# Altium PCB ADCS_PCB_2.PcbDoc (part 2 of 3)
Units mm, origin at the board's own origin, x right, y up, seen from the top; angles counter-clockwise.
Board outline 95.7 x 90 mm, 4 copper layers (Top Layer, Int1 (GND), Int2 (PWR), Bottom Layer), stack 1.57 mm thick; 156 components, 114 nets, 784 pads, 1100 vias.
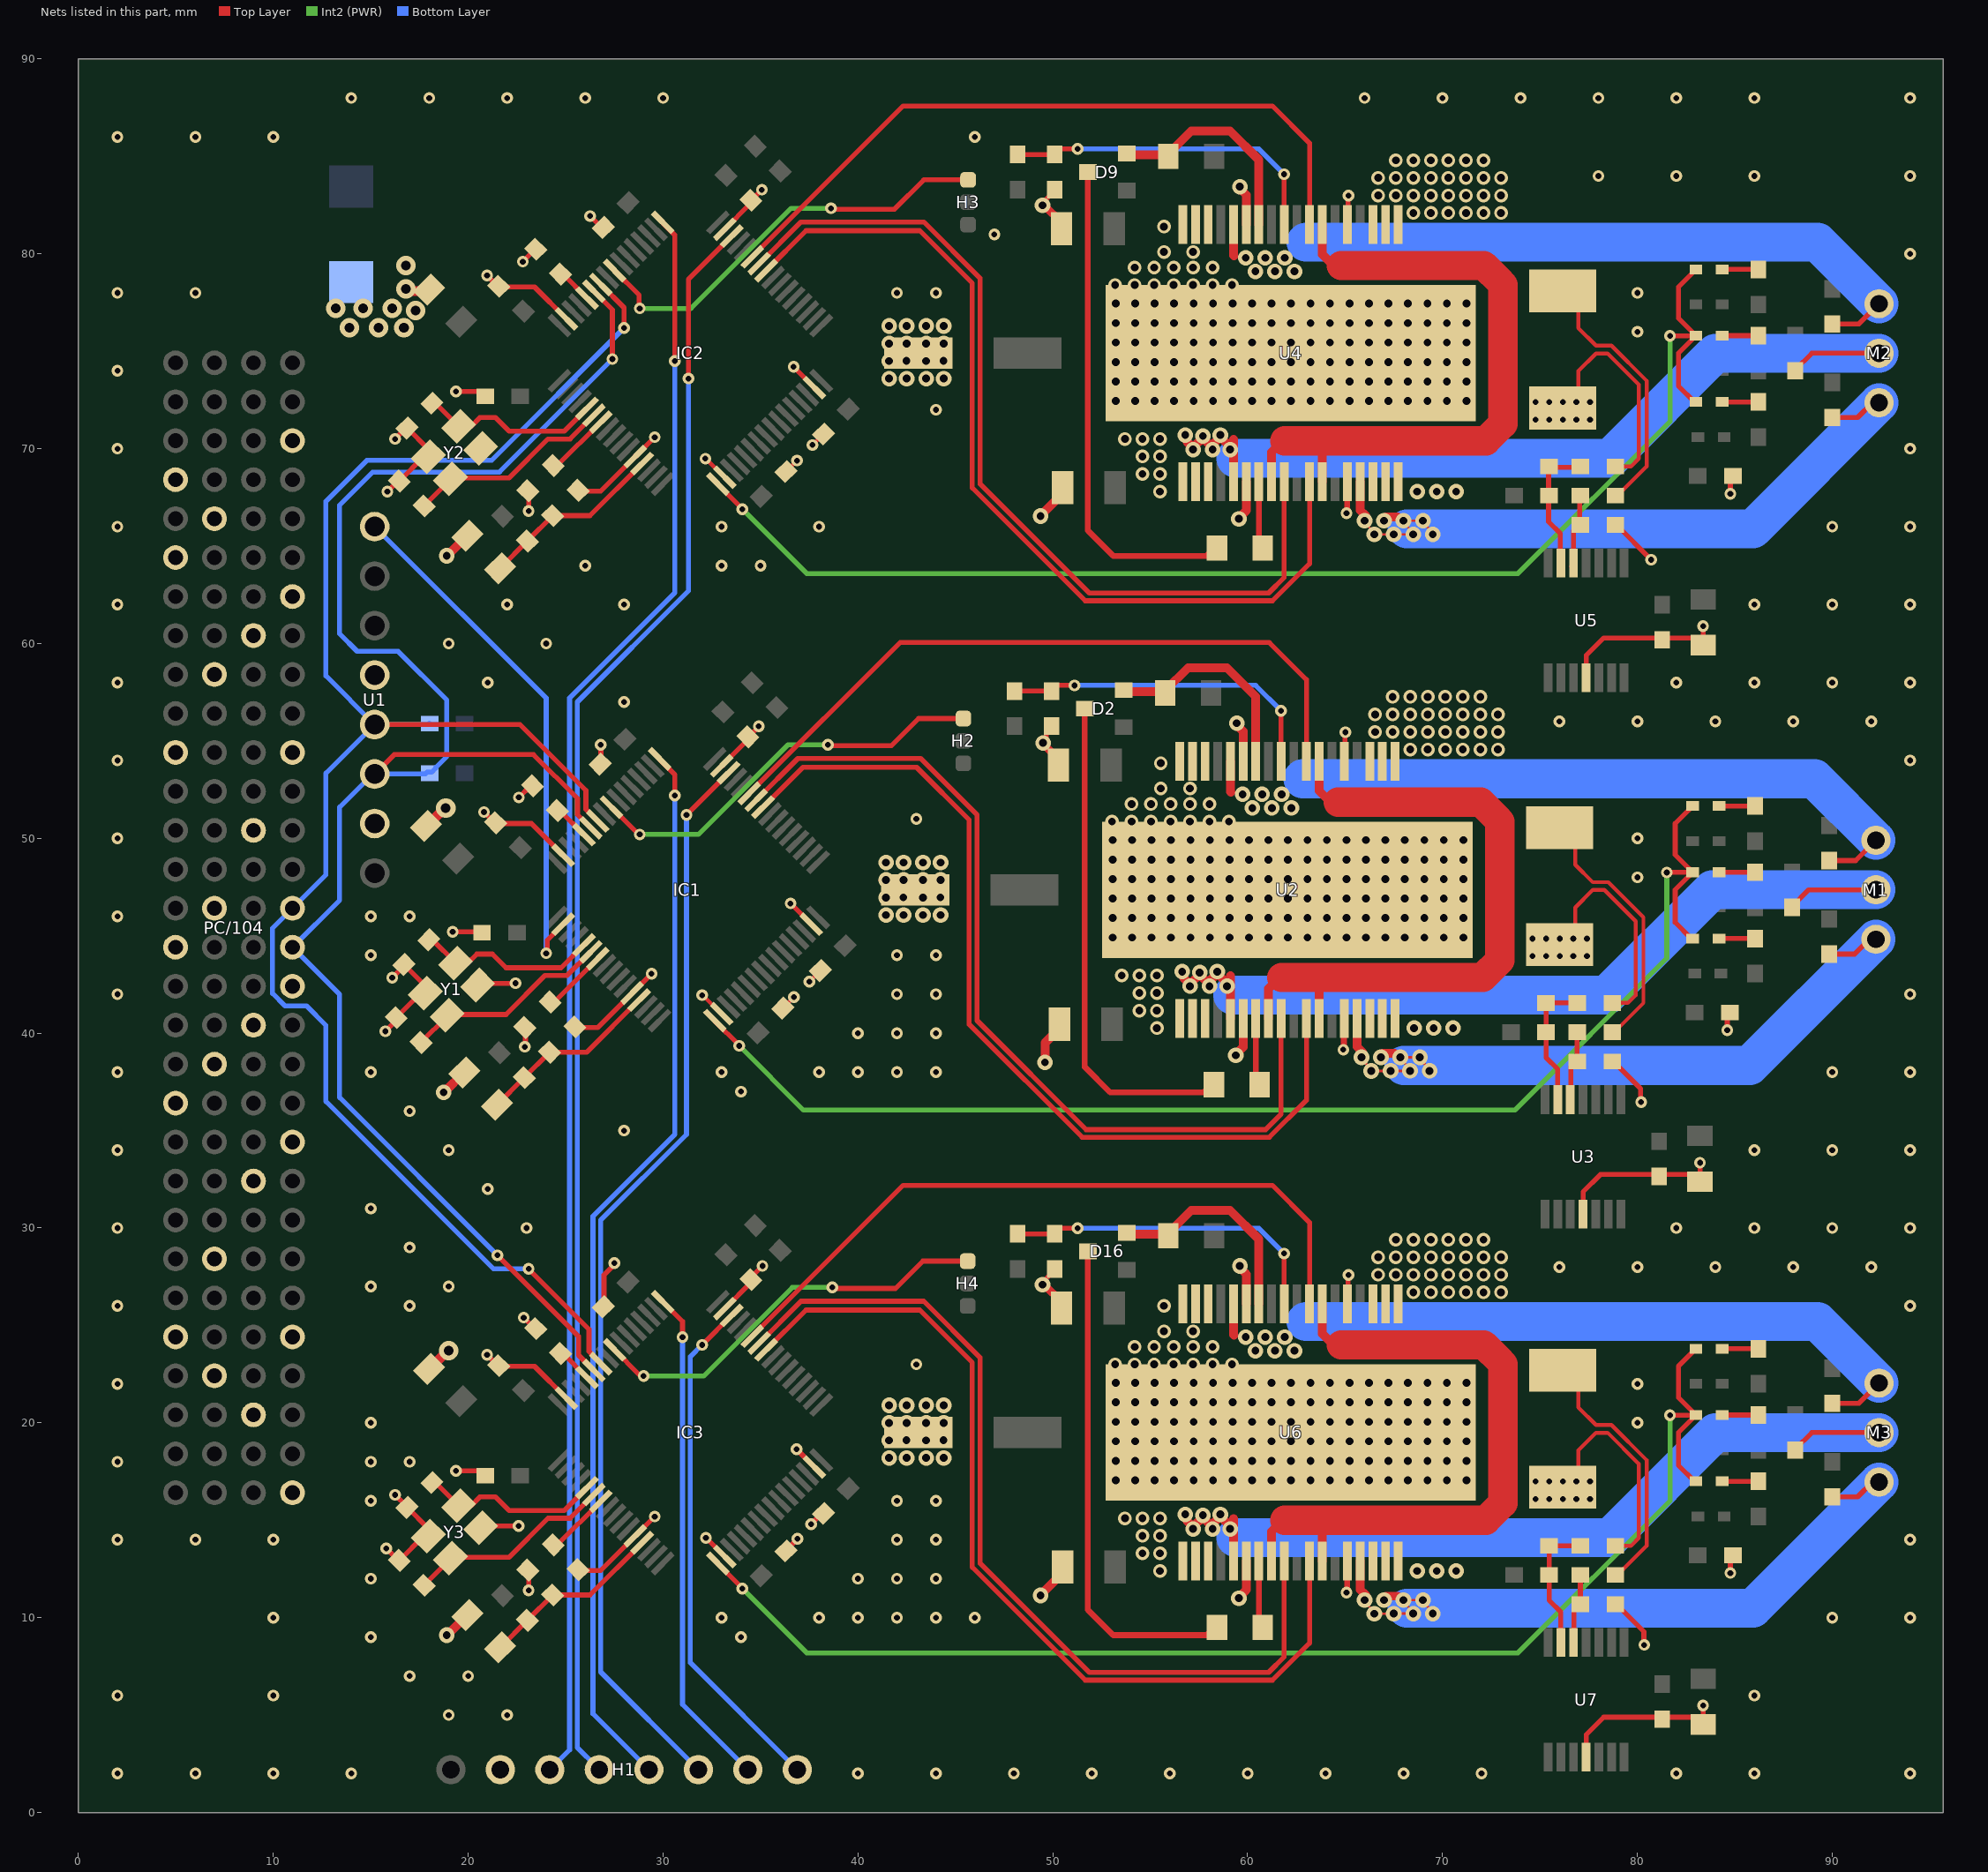
[diagram p4: the nets of this part, all layers, seen from the top]

## Via types
v1: diameter 0.7, hole 0.4, Top Layer to Bottom Layer, tented both sides, 495 vias
v2: diameter 0.6, hole 0.3, Top Layer to Bottom Layer, tented both sides, 366 vias
v3: diameter 0.8, hole 0.4, Top Layer to Bottom Layer, tented both sides, 225 vias
v4: diameter 1, hole 0.5, Top Layer to Bottom Layer, tented both sides, 11 vias
v5: diameter 1, hole 0.6, Top Layer to Bottom Layer, tented both sides, 3 vias

## Nets (pads, with @x,y where several pads share a name; then routed paths per layer and width w, separated by ;. In a path a pad name is that pad's centre, name@x,y a point inside that pad or via, vN(x,y) a via of type N, cw(c..) or ccw(c..) an arc to the next point about the centre after c; other vN are vias at no path point) (continued)
GND: C1.2 C2.2 C3.1 C6.2 C7.2 C8.1 C9.2 C10.2 C11.2 C12.2 C13.2 C14.2 C16.2 C17.2 C18.2 C19.2 C20.2 C21.2 C22.2 C23.2 C24.2 C25.2 C26.1 C29.2 C30.2 C31.1 C32.2 C33.2 C34.2 C35.2 C36.2 C37.2 C39.2 C40.2 C41.2 C42.2 C43.2 C44.2 C45.2 C46.2 C47.2 C48.2 C49.1 C52.2 C53.2 C54.1 C55.2 C56.2 C57.2 C58.2 C59.2 C60.2 C62.2 C63.2 C64.2 C65.2 C66.2 C67.2 C68.2 C69.2 D1.1 H1.2 IC1.12 IC1.18 IC1.31 IC1.47 IC1.63 IC2.12 IC2.18 IC2.31 IC2.47 IC2.63 IC3.12 IC3.18 IC3.31 IC3.47 IC3.63 PC/104.1 PC/104.5 PC/104.10 PC/104.14 PC/104.20 PC/104.24 PC/104.28 PC/104.33 PC/104.39 PC/104.43 PC/104.48 PC/104.53 PC/104.64 PC/104.67 PC/104.72 PC/104.76 PC/104.82 PC/104.86 PC/104.95 PC/104.101 PC/104.105 PC/104.110 PC/104.115 PC/104.117 R3.2 R7.1 R8.1 R16.2 R20.1 R21.1 R29.2 R33.1 R34.1 U1.2 U1.5 U2.1 U2.2 U2.3 U2.6 U2.14 U2.16 U2.17 U2.18 U2.19 U2.20 U2.21 U2.23 U2.31 U2.34 U2.35 U2.36 U2.37 U3.11 U4.1 U4.2 U4.3 U4.6 U4.14 U4.16 U4.17 U4.18 U4.19 U4.20 U4.21 U4.23 U4.31 U4.34 U4.35 U4.36 U4.37 U5.11 U6.1 U6.2 U6.3 U6.6 U6.14 U6.16 U6.17 U6.18 U6.19 U6.20 U6.21 U6.23 U6.31 U6.34 U6.35 U6.36 U6.37 U7.11 Y1.2 Y1.4 Y2.2 Y2.4 Y3.2 Y3.4 | length 239.5
  Top Layer w0.127: v3@41.122,47.818 v3@41.122,47.86 ; v3@41.282,19.958 v3@41.282,20 ; v3@41.282,75.358 v3@41.282,75.4
  Top Layer w0.2: v2(32.01,41.95) 32.032,41.95 32.986,40.996 IC1.18@33.008,40.996 ; v2(32.17,69.49) 32.192,69.49 33.146,68.536 IC2.18@33.168,68.536 ; C19.2@36.146,41.286 v2(36.71,41.85) ; C42.2@36.306,68.826 v2(36.87,69.39) ; v2(37.51,42.65) C18.2@38.074,43.214 ; v2(37.67,70.19) C41.2@38.234,70.754 ; R7.1@75.91,44.85 76.11,44.85 76.81,45.55 76.81,46.45 77.71,47.35 78.31,47.35 79.91,45.75 79.91,41.95 79.51,41.55 R8.1@78.71,41.55 ; R33.1@76.07,16.99 76.27,16.99 76.97,17.69 76.97,18.59 77.87,19.49 78.47,19.49 80.07,17.89 80.07,14.09 79.67,13.69 R34.1@78.87,13.69 ; R20.1@76.07,72.39 76.27,72.39 76.97,73.09 76.97,73.99 77.87,74.89 78.47,74.89 80.07,73.29 80.07,69.49 79.67,69.09 R21.1@78.87,69.09
  Top Layer w0.254: v2(15.75,40.1) 16.304,40.654 C12.2@16.304,40.796 17.555,42.048 Y1.2@17.796,42.048 17.796,42.431 C11.2@16.704,43.524 16.704,43.454 v2(16.1,42.85) ; v2(15.8,13.55) 16.414,12.936 C58.2@16.464,12.936 17.715,14.188 Y3.2@17.956,14.188 17.956,14.571 C57.2@16.864,15.664 16.864,15.686 v2(16.25,16.3) ; v2(15.85,67.8) 16.386,68.336 C35.2@16.464,68.336 17.715,69.588 Y2.2@17.956,69.588 17.956,69.971 C34.2@16.864,71.064 16.814,71.064 v2(16.25,70.5) ; v2(19.2,45.2) 20.66,45.2 C22.2@20.71,45.15 ; v2(19.37,17.54) 20.62,17.54 C68.2@20.87,17.29 ; v2(19.37,72.94) 20.62,72.94 C45.2@20.87,72.69 ; Y1.4@20.483,42.472 20.572,42.561 22.425,42.561 v2(22.432,42.568) ; Y3.4@20.644,14.612 20.732,14.701 22.585,14.701 v2(22.592,14.708) ; v2(20.81,51.35) 21.364,50.796 C21.2@21.404,50.796 C21.2@21.439,50.761 ; v2(20.97,23.49) 21.524,22.936 C67.2@21.564,22.936 C67.2@21.599,22.901 ; v2(20.97,78.89) 21.524,78.336 C44.2@21.564,78.336 C44.2@21.599,78.301 ; C21.2@21.439,50.832 C21.2@21.439,50.761 ; C67.2@21.599,22.972 C67.2@21.599,22.901 ; C44.2@21.599,78.372 C44.2@21.599,78.301 ; v2(22.6,52.1) 23.196,52.696 R3.2@23.304,52.696 ; v2(22.8,79.6) 23.436,80.236 R16.2@23.464,80.236 ; v2(22.85,25.4) 23.414,24.836 R29.2@23.464,24.836 ; v2(22.9,39.3) 22.939,39.339 22.939,40.261 C13.2@22.904,40.296 ; C59.2@23.064,12.436 23.099,12.401 23.099,11.401 v2(23.1,11.4) ; C36.2@23.064,67.836 23.099,67.801 23.099,66.801 v2(23.1,66.8) ; IC1.63@24.876,49.128 23.243,50.761 C21.2@21.439,50.761 ; IC3.63@25.036,21.268 23.403,22.901 C67.2@21.599,22.901 ; IC2.63@25.036,76.668 23.403,78.301 C44.2@21.599,78.301 ; C16.2@25.284,40.324 C16.2@25.476,40.324 ; C62.2@25.444,12.464 C62.2@25.636,12.464 ; C39.2@25.444,67.864 C39.2@25.636,67.864 ; C16.2@25.672,40.288 26.643,40.288 IC1.12@28.412,42.057 28.414,42.057 29.407,43.05 v2(29.41,43.05) ; C62.2@25.832,12.428 26.803,12.428 IC3.12@28.572,14.197 28.574,14.197 29.567,15.19 v2(29.57,15.19) ; C39.2@25.832,67.828 26.803,67.828 IC2.12@28.572,69.597 28.574,69.597 29.567,70.59 v2(29.57,70.59) ; v2(26.26,81.94) 26.846,81.354 C30.2@26.934,81.354 ; C7.2@26.774,53.814 26.809,53.849 26.809,54.791 v2(26.8,54.8) ; C53.2@26.934,25.954 26.969,25.989 26.969,27.588 27.5,28.119 v2(27.5,28.2) ; v2(32.2,14.1) 32.202,14.1 IC3.18@33.168,13.136 IC3.18@33.168,13.136 ; IC1.47@33.04,53.724 IC1.47@33.008,53.724 34.31,55.026 C20.2@34.31,55.15 ; IC3.47@33.168,25.864 34.506,27.202 C66.2@34.506,27.354 34.506,27.456 v2(35.1,28.05) ; IC2.47@33.2,81.264 IC2.47@33.168,81.264 34.47,82.566 C43.2@34.47,82.69 ; C20.2@34.346,55.214 34.374,55.214 v2(34.91,55.75) ; C43.2@34.506,82.754 34.534,82.754 v2(35.07,83.29) ; C65.2@36.306,13.426 36.306,13.456 v2(36.9,14.05) ; v2(36.54,46.66) 36.54,46.658 37.604,45.594 IC1.31@37.604,45.592 ; v2(36.7,74.2) 36.7,74.198 IC2.31@37.764,73.132 IC2.31@37.764,73.132 ; v2(36.85,18.65) 36.85,18.648 IC3.31@37.764,17.732 IC3.31@37.764,17.732 ; v2(37.6,14.8) 38.154,15.354 C64.2@38.234,15.354 ; v3(49.47,27.09) 49.47,27.22 50.1,27.85 C52.2@50.1,27.9 ; v3(49.47,82.49) 49.47,82.62 50.1,83.25 C29.2@50.1,83.3 ; v3(49.5,54.9) 49.5,55.048 49.667,55.215 49.667,55.487 C6.2@49.94,55.76 ; U2.37@62.165,47.61 U2.37@68.365,47.61 ; U6.37@62.325,19.75 U6.37@68.525,19.75 ; U4.37@62.325,75.15 U4.37@68.525,75.15 ; U2.23@64.965,53.96 64.987,53.983 64.987,55.428 v2(65.01,55.45) ; U6.23@65.125,26.1 65.147,26.123 65.147,27.568 v2(65.17,27.59) ; U4.23@65.125,81.5 65.147,81.522 65.147,82.967 v2(65.17,82.99) ; v1(70.065,45.91) U2.37@68.365,47.61 ; v1(70.225,18.05) U6.37@68.525,19.75 ; v1(70.225,73.45) U4.37@68.525,75.15 ; v1(71.065,45.91) 69.365,47.61 U2.37@68.365,47.61 ; v1(71.225,18.05) 69.525,19.75 U6.37@68.525,19.75 ; v1(71.225,73.45) 69.525,75.15 U4.37@68.525,75.15 ; U3.11@77.21,30.95 77.21,31.85 78.11,32.75 82.835,32.75 C10.2@83.21,32.375 v2(83.21,33.35) ; U7.11@77.37,3.09 77.37,3.99 78.27,4.89 82.995,4.89 C56.2@83.37,4.515 v2(83.37,5.49) ; U5.11@77.37,58.49 77.37,59.39 78.27,60.29 82.995,60.29 C33.2@83.37,59.915 v2(83.37,60.89) ; C8.1@78.71,38.55 78.76,38.55 80.169,37.141 80.169,36.481 v2(80.19,36.46) ; C54.1@78.87,10.69 78.92,10.69 80.329,9.281 80.329,8.621 v2(80.35,8.6) ; C31.1@78.87,66.09 78.92,66.09 80.7,64.31 v2(80.7,64.3) ; v2(84.61,40.15) 84.61,40.93 C23.2@84.74,41.06 ; v2(84.77,12.29) 84.77,13.07 C69.2@84.9,13.2 ; v2(84.77,67.69) 84.77,68.47 C46.2@84.9,68.6
  Top Layer w0.3: v2(64.91,39.15) 64.937,39.178 64.937,40.733 U2.14@64.965,40.76 ; v2(65.07,11.29) 65.097,11.318 65.097,12.873 U6.14@65.125,12.9 ; v2(65.07,66.69) 65.097,66.717 65.097,68.272 U4.14@65.125,68.3
  Top Layer w0.4: v3(49.47,27.09) 49.56,27.09 50.45,26.2 C47.2@50.45,25.9 ; v3(49.47,82.49) 49.56,82.49 50.45,81.6 C24.2@50.45,81.3 ; v3(49.5,54.9) 49.5,54.85 50.29,54.06 C1.2@50.29,53.76
  Top Layer w0.45: v3(18.74,36.96) 18.759,36.96 19.79,37.991 C14.2@19.809,37.991 ; v3(18.9,9.1) 18.919,9.1 19.95,10.131 C60.2@19.969,10.131 ; v3(18.9,64.5) 18.919,64.5 19.95,65.531 C37.2@19.969,65.531 ; v3(49.37,11.14) 49.37,11.17 50.5,12.3 C48.2@50.5,12.6 ; v3(49.37,66.54) 49.37,66.57 50.5,67.7 C25.2@50.5,68 ; v3(49.6,38.5) 49.6,39.5 49.935,39.835 50.015,39.835 50.34,40.16 C2.2@50.34,40.46 ; v3(59.39,38.86) 59.39,38.91 59.765,39.285 U2.6@59.765,40.76 ; v3(59.44,55.91) 59.44,55.815 59.765,55.49 U2.31@59.765,53.96 ; v3(59.55,11) 59.55,11.05 59.925,11.425 U6.6@59.925,12.9 ; v3(59.55,66.4) 59.55,66.45 59.925,66.825 U4.6@59.925,68.3 ; v3(59.6,28.05) 59.6,27.955 59.925,27.63 U6.31@59.925,26.1 ; v3(59.6,83.45) 59.6,83.355 59.925,83.03 U4.31@59.925,81.5
  Top Layer w0.5: v4(16.8,78.2) 16.935,78.2 17.053,78.082 17.901,78.082 C40.2@17.989,78.171 ; C17.2@17.829,50.631 17.88,50.631 18.799,51.55 v4(18.85,51.55) ; C63.2@17.989,22.771 18.03,22.771 18.959,23.7 v4(19,23.7)
  other v1: 55.5,12.4 54.6,13.3 55.5,13.3 54.6,14.2 55.5,14.2 53.7,15.1 54.6,15.1 55.5,15.1 53.225,17.05 54.225,17.05 55.225,17.05 56.225,17.05 57.225,17.05 58.225,17.05 59.225,17.05 60.225,17.05 61.225,17.05 62.225,17.05 63.225,17.05 64.225,17.05 65.225,17.05 66.225,17.05 67.225,17.05 68.225,17.05 69.225,17.05 70.225,17.05 71.225,17.05 53.225,18.05 54.225,18.05 55.225,18.05 56.225,18.05 57.225,18.05 58.225,18.05 59.225,18.05 60.225,18.05 61.225,18.05 62.225,18.05 63.225,18.05 64.225,18.05 65.225,18.05 66.225,18.05 67.225,18.05 68.225,18.05 69.225,18.05 53.225,19.05 54.225,19.05 55.225,19.05 56.225,19.05 57.225,19.05 58.225,19.05 59.225,19.05 60.225,19.05 61.225,19.05 62.225,19.05 63.225,19.05 64.225,19.05 65.225,19.05 66.225,19.05 67.225,19.05 68.225,19.05 69.225,19.05 70.225,19.05 71.225,19.05 53.225,20.05 54.225,20.05 55.225,20.05 56.225,20.05 57.225,20.05 58.225,20.05 59.225,20.05 60.225,20.05 61.225,20.05 62.225,20.05 63.225,20.05 64.225,20.05 65.225,20.05 66.225,20.05 67.225,20.05 68.225,20.05 69.225,20.05 70.225,20.05 71.225,20.05 53.225,21.05 54.225,21.05 55.225,21.05 56.225,21.05 57.225,21.05 58.225,21.05 59.225,21.05 60.225,21.05 61.225,21.05 62.225,21.05 63.225,21.05 64.225,21.05 65.225,21.05 66.225,21.05 67.225,21.05 68.225,21.05 69.225,21.05 70.225,21.05 71.225,21.05 53.225,22.05 54.225,22.05 55.225,22.05 56.225,22.05 57.225,22.05 58.225,22.05 59.225,22.05 60.225,22.05 61.225,22.05 62.225,22.05 63.225,22.05 64.225,22.05 65.225,22.05 66.225,22.05 67.225,22.05 68.225,22.05 69.225,22.05 70.225,22.05 71.225,22.05 53.2,23 54.2,23 55.2,23 56.2,23 57.2,23 58.2,23 59.2,23 54.2,23.9 55.2,23.9 56.2,23.9 57.2,23.9 58.2,23.9 55.7,24.7 57.2,24.7 55.7,26 68.5,26.7 69.4,26.7 70.3,26.7 71.2,26.7 72.1,26.7 73,26.7 66.7,27.6 67.6,27.6 68.5,27.6 69.4,27.6 70.3,27.6 71.2,27.6 72.1,27.6 73,27.6 66.7,28.5 67.6,28.5 68.5,28.5 69.4,28.5 70.3,28.5 71.2,28.5 72.1,28.5 73,28.5 67.6,29.4 68.5,29.4 69.4,29.4 70.3,29.4 71.2,29.4 72.1,29.4 55.34,40.26 54.44,41.16 55.34,41.16 54.44,42.06 55.34,42.06 53.54,42.96 54.44,42.96 55.34,42.96 53.065,44.91 54.065,44.91 55.065,44.91 56.065,44.91 57.065,44.91 58.065,44.91 59.065,44.91 60.065,44.91 61.065,44.91 62.065,44.91 63.065,44.91 64.065,44.91 65.065,44.91 66.065,44.91 67.065,44.91 68.065,44.91 69.065,44.91 70.065,44.91 71.065,44.91 53.065,45.91 54.065,45.91 55.065,45.91 56.065,45.91 57.065,45.91 58.065,45.91 59.065,45.91 60.065,45.91 61.065,45.91 62.065,45.91 63.065,45.91 64.065,45.91 65.065,45.91 66.065,45.91 67.065,45.91 68.065,45.91 69.065,45.91 53.065,46.91 54.065,46.91 55.065,46.91 56.065,46.91 57.065,46.91 58.065,46.91 59.065,46.91 60.065,46.91 61.065,46.91 62.065,46.91 63.065,46.91 64.065,46.91 65.065,46.91 66.065,46.91 67.065,46.91 68.065,46.91 69.065,46.91 70.065,46.91 71.065,46.91 53.065,47.91 54.065,47.91 55.065,47.91 56.065,47.91 57.065,47.91 58.065,47.91 59.065,47.91 60.065,47.91 61.065,47.91 62.065,47.91 63.065,47.91 64.065,47.91 65.065,47.91 66.065,47.91 67.065,47.91 68.065,47.91 69.065,47.91 70.065,47.91 71.065,47.91 53.065,48.91 54.065,48.91 55.065,48.91 56.065,48.91 57.065,48.91 58.065,48.91 59.065,48.91 60.065,48.91 61.065,48.91 62.065,48.91 63.065,48.91 64.065,48.91 65.065,48.91 66.065,48.91 67.065,48.91 68.065,48.91 69.065,48.91 70.065,48.91 71.065,48.91 53.065,49.91 54.065,49.91 55.065,49.91 56.065,49.91 57.065,49.91 58.065,49.91 59.065,49.91 60.065,49.91 61.065,49.91 62.065,49.91 63.065,49.91 64.065,49.91 65.065,49.91 66.065,49.91 67.065,49.91 68.065,49.91 69.065,49.91 70.065,49.91 71.065,49.91 53.04,50.86 54.04,50.86 55.04,50.86 56.04,50.86 57.04,50.86 58.04,50.86 59.04,50.86 54.04,51.76 55.04,51.76 56.04,51.76 57.04,51.76 58.04,51.76 55.54,52.56 57.04,52.56 55.54,53.86 68.34,54.56 69.24,54.56 70.14,54.56 71.04,54.56 71.94,54.56 72.84,54.56 66.54,55.46 67.44,55.46 68.34,55.46 69.24,55.46 70.14,55.46 71.04,55.46 71.94,55.46 72.84,55.46 66.54,56.36 67.44,56.36 68.34,56.36 69.24,56.36 70.14,56.36 71.04,56.36 71.94,56.36 72.84,56.36 67.44,57.26 68.34,57.26 69.24,57.26 70.14,57.26 71.04,57.26 71.94,57.26 55.5,67.8 54.6,68.7 55.5,68.7 54.6,69.6 55.5,69.6 53.7,70.5 54.6,70.5 55.5,70.5 53.225,72.45 54.225,72.45 55.225,72.45 56.225,72.45 57.225,72.45 58.225,72.45 59.225,72.45 60.225,72.45 61.225,72.45 62.225,72.45 63.225,72.45 64.225,72.45 65.225,72.45 66.225,72.45 67.225,72.45 68.225,72.45 69.225,72.45 70.225,72.45 71.225,72.45 53.225,73.45 54.225,73.45 55.225,73.45 56.225,73.45 57.225,73.45 58.225,73.45 59.225,73.45 60.225,73.45 61.225,73.45 62.225,73.45 63.225,73.45 64.225,73.45 65.225,73.45 66.225,73.45 67.225,73.45 68.225,73.45 69.225,73.45 53.225,74.45 54.225,74.45 55.225,74.45 56.225,74.45 57.225,74.45 58.225,74.45 59.225,74.45 60.225,74.45 61.225,74.45 62.225,74.45 63.225,74.45 64.225,74.45 65.225,74.45 66.225,74.45 67.225,74.45 68.225,74.45 69.225,74.45 70.225,74.45 71.225,74.45 53.225,75.45 54.225,75.45 55.225,75.45 56.225,75.45 57.225,75.45 58.225,75.45 59.225,75.45 60.225,75.45 61.225,75.45 62.225,75.45 63.225,75.45 64.225,75.45 65.225,75.45 66.225,75.45 67.225,75.45 68.225,75.45 69.225,75.45 70.225,75.45 71.225,75.45 53.225,76.45 54.225,76.45 55.225,76.45 56.225,76.45 57.225,76.45 58.225,76.45 59.225,76.45 60.225,76.45 61.225,76.45 62.225,76.45 63.225,76.45 64.225,76.45 65.225,76.45 66.225,76.45 67.225,76.45 68.225,76.45 69.225,76.45 70.225,76.45 71.225,76.45 53.225,77.45 54.225,77.45 55.225,77.45 56.225,77.45 57.225,77.45 58.225,77.45 59.225,77.45 60.225,77.45 61.225,77.45 62.225,77.45 63.225,77.45 64.225,77.45 65.225,77.45 66.225,77.45 67.225,77.45 68.225,77.45 69.225,77.45 70.225,77.45 71.225,77.45 53.2,78.4 54.2,78.4 55.2,78.4 56.2,78.4 57.2,78.4 58.2,78.4 59.2,78.4 54.2,79.3 55.2,79.3 56.2,79.3 57.2,79.3 58.2,79.3 55.7,80.1 57.2,80.1 55.7,81.4 68.5,82.1 69.4,82.1 70.3,82.1 71.2,82.1 72.1,82.1 73,82.1 66.7,83 67.6,83 68.5,83 69.4,83 70.3,83 71.2,83 72.1,83 73,83 66.7,83.9 67.6,83.9 68.5,83.9 69.4,83.9 70.3,83.9 71.2,83.9 72.1,83.9 73,83.9 67.6,84.8 68.5,84.8 69.4,84.8 70.3,84.8 71.2,84.8 72.1,84.8
  other v2: 2,2 6,2 10,2 14,2 40,2 44,2 48,2 52,2 56,2 60,2 64,2 68,2 72,2 82,2 86,2 94,2 19,5 22,5 2,6 10,6 86,6 17,7 20,7 15,9 34,9 10,10 33,10 38,10 40,10 42,10 44,10 46,10 90,10 94,10 15,12 40,12 42,12 44,12 2,14 6,14 10,14 42,14 44,14 94,14 15,16 42,16 44,16 74.77,16.09 75.47,16.09 76.17,16.09 76.87,16.09 77.57,16.09 74.77,16.99 75.47,16.99 76.17,16.99 76.87,16.99 77.57,16.99 2,18 15,18 17,18 15,20 80,20 2,22 80,22 43,23 2,26 17,26 94,26 15,27 19,27 76,28 80,28 84,28 88,28 92,28 17,29 2,30 23,30 82,30 86,30 90,30 94,30 15,31 21,32 2,34 19,34 86,34 90,34 94,34 28,35 17,36 34,37 2,38 15,38 33,38 38,38 40,38 42,38 44,38 90,38 94,38 40,40 42,40 44,40 2,42 42,42 44,42 94,42 74.61,43.95 75.31,43.95 76.01,43.95 76.71,43.95 77.41,43.95 15,44 42,44 44,44 74.61,44.85 75.31,44.85 76.01,44.85 76.71,44.85 77.41,44.85 2,46 15,46 17,46 80,48 2,50 80,50 43,51 2,54 94,54 76,56 80,56 84,56 88,56 92,56 28,57 2,58 21,58 82,58 86,58 90,58 94,58 19,60 24,60 2,62 22,62 28,62 86,62 90,62 94,62 26,64 33,64 35,64 2,66 33,66 38,66 90,66 94,66 2,70 94,70 74.77,71.49 75.47,71.49 76.17,71.49 76.87,71.49 77.57,71.49 44,72 74.77,72.39 75.47,72.39 76.17,72.39 76.87,72.39 77.57,72.39 2,74 80,76 2,78 6,78 42,78 44,78 80,78 94,80 47,81 78,84 82,84 86,84 94,84 2,86 6,86 10,86 46,86 14,88 18,88 22,88 26,88 30,88 66,88 70,88 74,88 78,88 82,88 86,88 94,88
  other v3: 68.7,12.4 69.7,12.4 70.7,12.4 41.6,18.2 42.5,18.2 43.5,18.2 44.4,18.2 41.6,19.1 43.5,19.1 42.491,19.109 44.391,19.109 41.6,20 42.5,20 43.5,20 44.4,20 41.6,20.9 42.5,20.9 43.5,20.9 44.4,20.9 68.54,40.26 69.54,40.26 70.54,40.26 41.44,46.06 42.34,46.06 43.34,46.06 44.24,46.06 41.44,46.96 42.331,46.969 43.34,46.96 44.231,46.969 41.44,47.86 42.34,47.86 43.34,47.86 44.24,47.86 41.44,48.76 42.34,48.76 43.34,48.76 44.24,48.76 68.7,67.8 69.7,67.8 70.7,67.8 41.6,73.6 42.5,73.6 43.5,73.6 44.4,73.6 41.6,74.5 43.5,74.5 42.491,74.509 44.391,74.509 41.6,75.4 42.5,75.4 43.5,75.4 44.4,75.4 41.6,76.3 42.5,76.3 43.5,76.3 44.4,76.3
  other v4: 13.9,76.2 15.4,76.2 16.7,76.2 17.3,77.1 13.2,77.2 14.6,77.2 16.1,77.2 16.8,79.4
GPIO_BEMF_M1: D3.2 D4.2 D5.2 IC1.17 | length 68.2
  Top Layer w0.254: IC1.17@32.654,40.642 32.654,40.624 33.91,39.368 v2(33.91,39.35) ; v2@81.41,48.25 81.415,48.255 D4.2@82.76,48.255 ; D3.2@82.84,44.86 82.765,44.86 81.94,45.685 81.94,47.36 82.642,48.062 82.642,48.137 D4.2@82.76,48.255 ; D5.2@82.84,51.66 82.765,51.66 82.642,51.537 82.642,51.462 81.94,50.76 81.94,49.16 82.642,48.458 82.642,48.383 82.765,48.26 D4.2@82.84,48.26 82.835,48.255 D4.2@82.76,48.255
  Int2 (PWR) w0.254: v2(33.91,39.35) 37.21,36.05 73.71,36.05 81.51,43.85 v2(81.51,48.25)
GPIO_BEMF_M2: D10.2 D11.2 D12.2 IC2.17 | length 68.2
  Top Layer w0.254: IC2.17@32.814,68.182 32.814,68.164 34.07,66.908 v2(34.07,66.89) ; v2@81.57,75.79 81.575,75.795 D11.2@82.92,75.795 ; D10.2@83,72.4 82.925,72.4 82.1,73.225 82.1,74.9 82.802,75.602 82.802,75.677 D11.2@82.92,75.795 ; D12.2@83,79.2 82.925,79.2 82.802,79.077 82.802,79.002 82.1,78.3 82.1,76.7 82.802,75.998 82.802,75.923 82.925,75.8 D11.2@83,75.8 82.995,75.795 D11.2@82.92,75.795
  Int2 (PWR) w0.254: v2(34.07,66.89) 37.37,63.59 73.87,63.59 81.67,71.39 v2(81.67,75.79)
GPIO_BEMF_M3: D17.2 D18.2 D19.2 IC3.17 | length 68.2
  Top Layer w0.254: IC3.17@32.814,12.782 32.814,12.764 34.07,11.508 v2(34.07,11.49) ; v2@81.57,20.39 81.575,20.395 D18.2@82.92,20.395 ; D17.2@83,17 82.925,17 82.1,17.825 82.1,19.5 82.802,20.202 82.802,20.277 D18.2@82.92,20.395 ; D19.2@83,23.8 82.925,23.8 82.802,23.677 82.802,23.602 82.1,22.9 82.1,21.3 82.802,20.598 82.802,20.523 82.925,20.4 D18.2@83,20.4 82.995,20.395 D18.2@82.92,20.395
  Int2 (PWR) w0.254: v2(34.07,11.49) 37.37,8.19 73.87,8.19 81.67,15.99 v2(81.67,20.39)
I2C1_SCL: IC1.58 IC2.58 IC3.58 PC/104.16 R1.1 U1.4 | length 94.7
  Top Layer w0.254: U1.4@15.2,55.84 22.66,55.84 26.041,52.459 26.041,51.498 IC1.58@26.644,50.896 ; v2(23.1,27.9) 26.2,24.8 26.2,23.672 26.804,23.068 IC3.58@26.804,23.036 ; IC2.58@26.804,78.436 28,77.239 v2(28,76.2)
  Bottom Layer w0.254: R1.1@18,55.9 17.94,55.84 U1.4@15.2,55.84 ; v2(23.1,27.9) 21.3,27.9 12.7,36.5 12.7,40.4 11.7,41.4 10.6,41.4 9.959,42.041 9.959,45.389 PC/104.16@10.98,46.41 12.7,48.13 12.7,53.34 U1.4@15.2,55.84 ; v2(28,76.2) 21.2,69.4 14.8,69.4 12.7,67.3 12.7,58.34 U1.4@15.2,55.84
I2C1_SDA: IC1.59 IC2.59 IC3.59 PC/104.15 R2.1 U1.3 | length 93.8
  Top Layer w0.254: U1.3@15.2,53.3 16.2,54.3 23.353,54.3 25.61,52.043 25.61,51.222 IC1.59@26.29,50.542 ; v2(21.5,28.6) 25.664,24.436 25.664,23.468 IC3.59@26.45,22.682 ; IC2.59@26.45,78.082 27.4,77.132 v2(27.4,74.6)
  Bottom Layer w0.254: R2.1@17.9,53.4 17.8,53.3 U1.3@15.2,53.3 15.1,53.3 13.4,51.6 13.4,46.83 PC/104.15@10.98,44.41 13.4,41.99 13.4,36.7 v2(21.5,28.6) ; R2.1@18,53.4 18.13,53.4 18.343,53.613 18.343,53.643 18.9,54.2 18.9,57.1 16.4,59.6 14.3,59.6 13.4,60.5 13.4,67.1 15.1,68.8 21.6,68.8 v2(27.4,74.6)
IN1_M1: IC1.42 U2.9 | length 47.1
  Top Layer w0.254: IC1.42@34.776,51.956 36.919,54.1 43.219,54.1 46.11,51.209 46.11,40.65 51.71,35.05 60.915,35.05 61.715,35.85 U2.9@61.715,40.76
IN1_M2: IC2.42 U4.9 | length 47.1
  Top Layer w0.254: IC2.42@34.936,79.496 37.079,81.64 43.379,81.64 46.27,78.749 46.27,68.19 51.87,62.59 61.075,62.59 61.875,63.39 U4.9@61.875,68.3
IN1_M3: IC3.42 U6.9 | length 47.1
  Top Layer w0.254: IC3.42@34.936,24.096 37.079,26.24 43.379,26.24 46.27,23.349 46.27,12.79 51.87,7.19 61.075,7.19 61.875,7.99 U6.9@61.875,12.9
IN2_M1: IC1.43 U2.26 | length 36.8
  Top Layer w0.254: IC1.43@34.422,52.31 42.162,60.05 61.11,60.05 63.015,58.145 U2.26@63.015,53.96
IN2_M2: IC2.43 U4.26 | length 36.8
  Top Layer w0.254: IC2.43@34.582,79.85 42.322,87.59 61.27,87.59 63.175,85.685 U4.26@63.175,81.5
IN2_M3: IC3.43 U6.26 | length 36.8
  Top Layer w0.254: IC3.43@34.582,24.45 42.322,32.19 61.27,32.19 63.175,30.285 U6.26@63.175,26.1
IN3_M1: IC1.41 U2.11 | length 47.7
  Top Layer w0.254: IC1.41@35.129,51.603 37.177,53.65 43.01,53.65 45.71,50.95 45.71,40.45 51.505,34.655 61.115,34.655 63.015,36.555 U2.11@63.015,40.76
IN3_M2: IC2.41 U4.11 | length 47.7
  Top Layer w0.254: IC2.41@35.289,79.143 37.337,81.19 43.17,81.19 45.87,78.49 45.87,67.99 51.665,62.195 61.275,62.195 63.175,64.095 U4.11@63.175,68.3
IN3_M3: IC3.41 U6.11 | length 47.7
  Top Layer w0.254: IC3.41@35.289,23.743 37.337,25.79 43.17,25.79 45.87,23.09 45.87,12.59 51.665,6.795 61.275,6.795 63.175,8.695 U6.11@63.175,12.9
M1_U: M1.1 R13.2 U2.15 | length 38.5
  Top Layer w0.127: v3(65.84,38.76) 65.84,38.66 66.34,38.16 v3(66.34,38.06) 66.343,38.063 67.333,38.063 v3(67.335,38.065) v3(68.335,38.065) 68.335,38.165 67.835,38.665 v3(67.835,38.765) 68.635,38.765 v3@68.81,38.59 ; v3(68.835,38.765) 68.835,38.615 68.885,38.615 69.335,38.165 v3(69.335,38.065)